# Allegro board meta_carrier_lay_rev1.brd (continued)
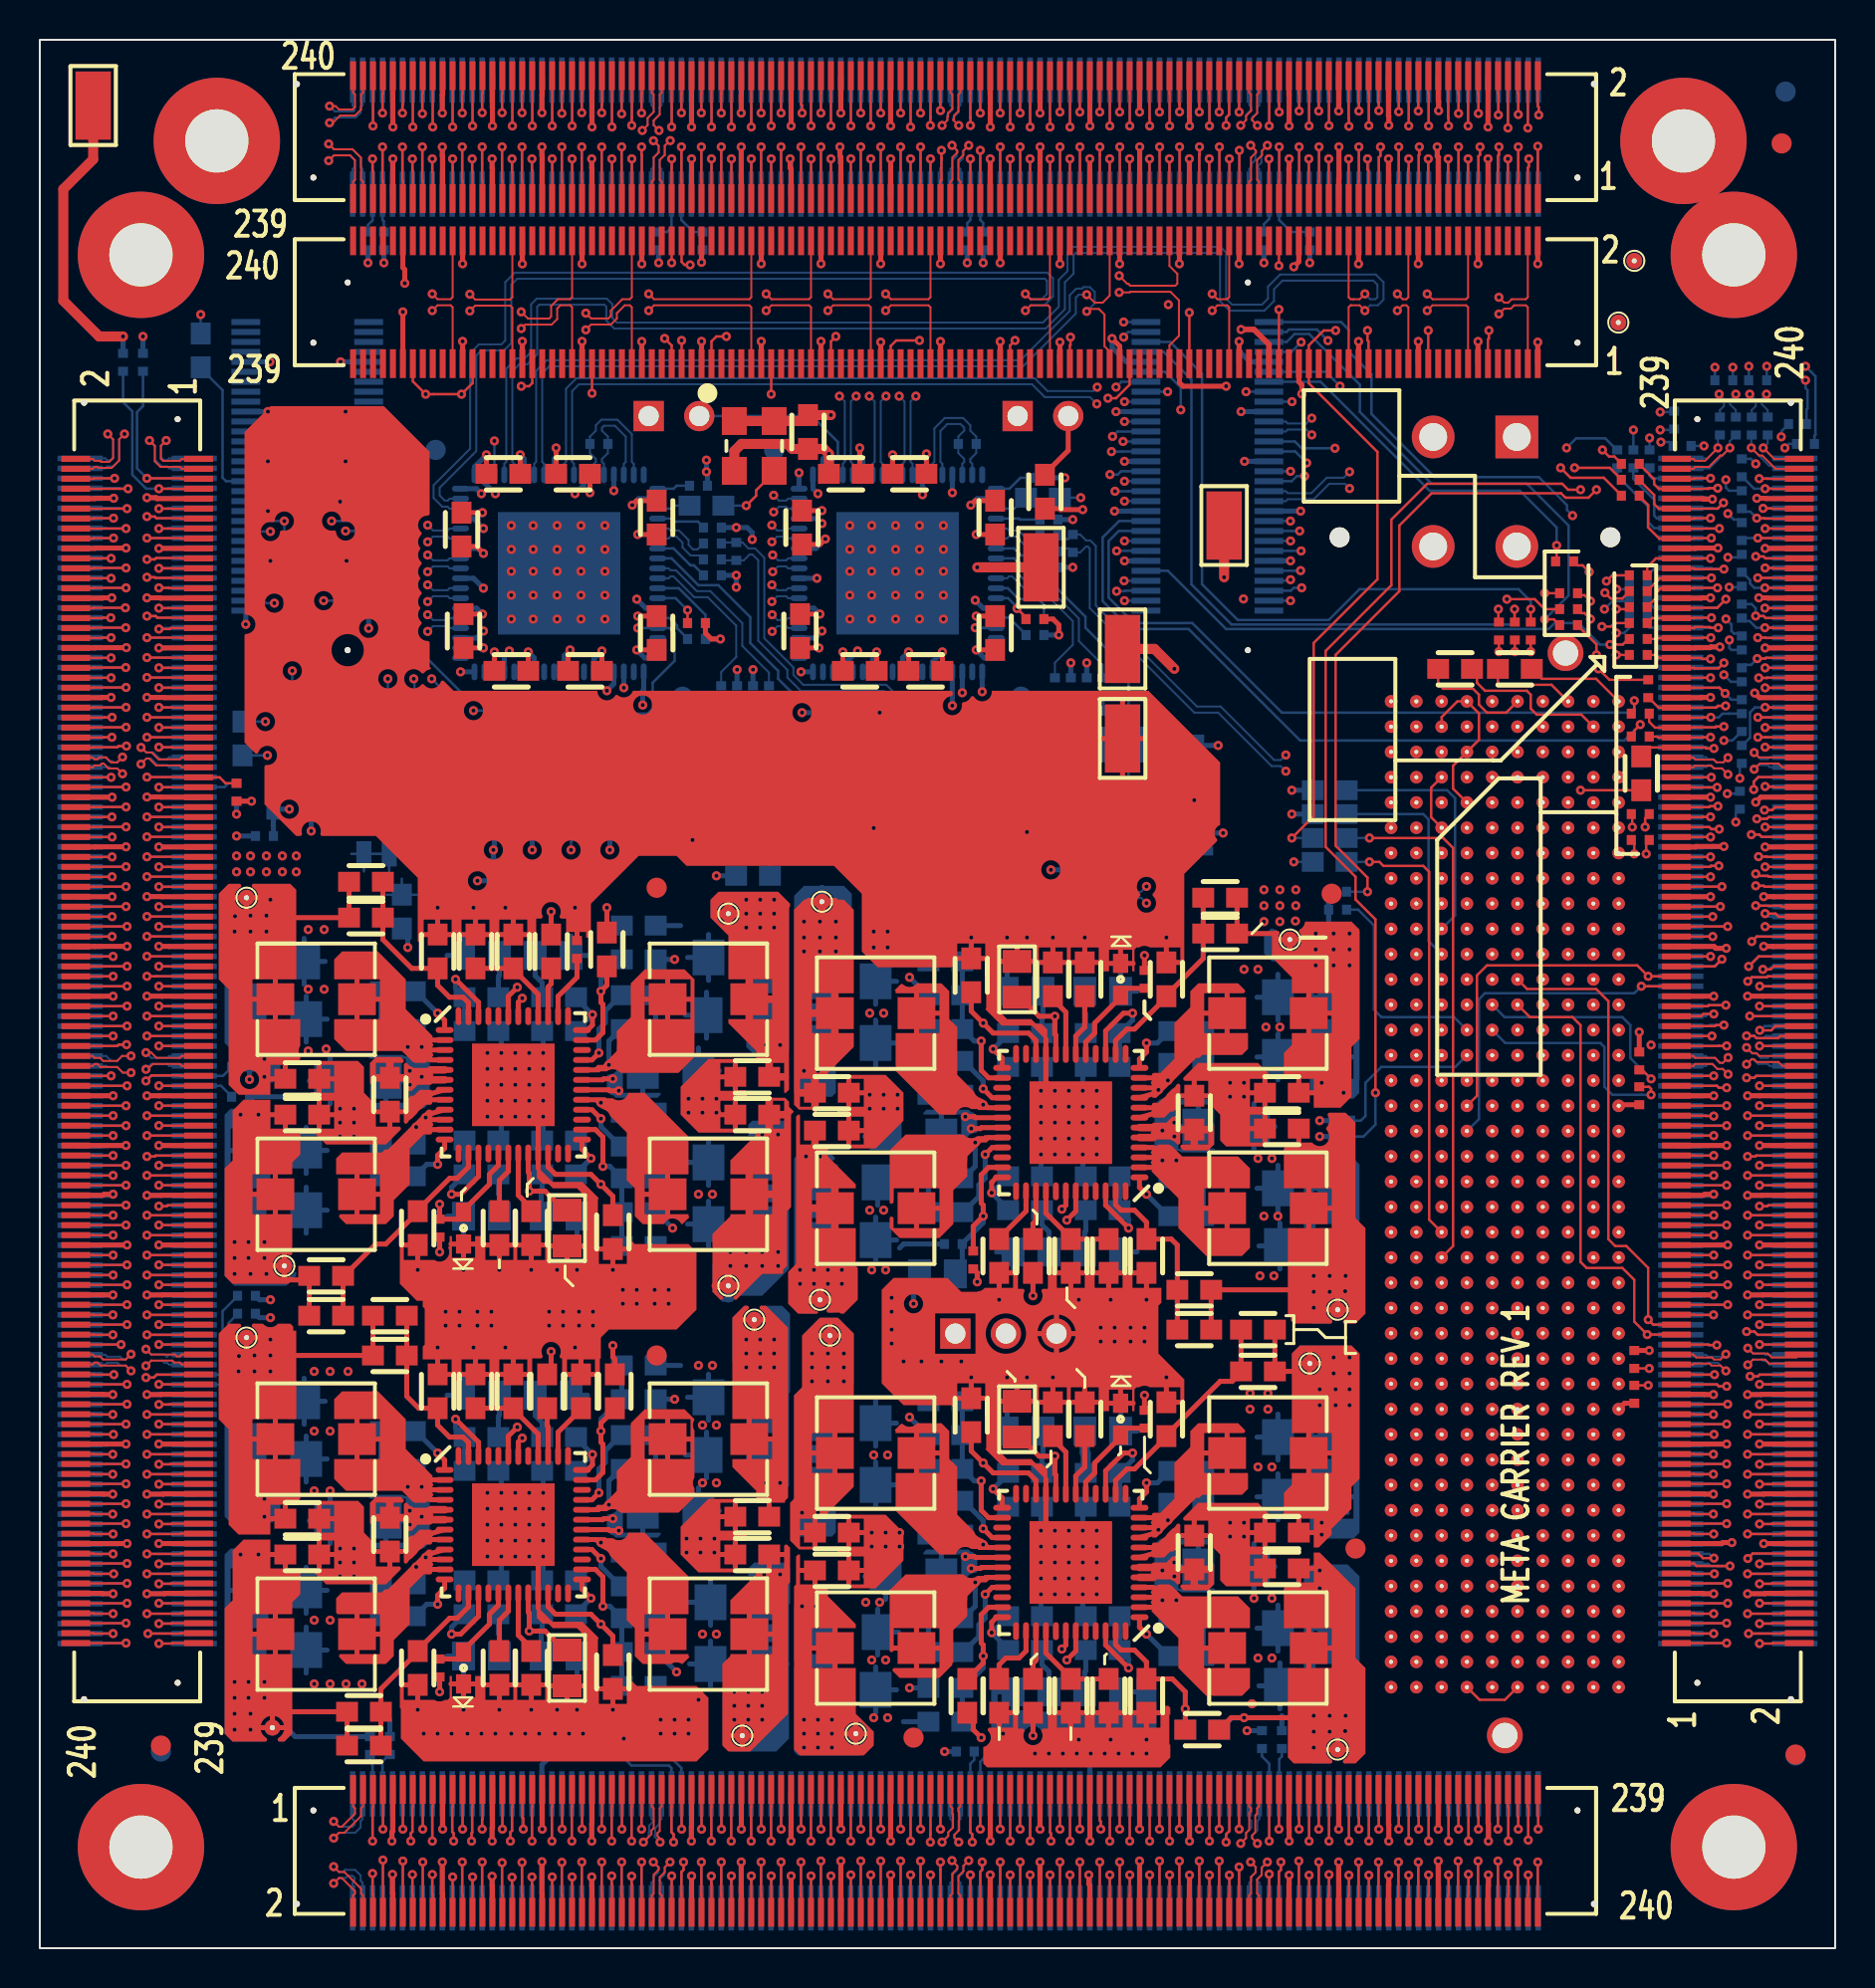
[diagram p0: board, top side]
## Routing (per net, layer and track width the routed paths; a pad name or vN(x,y) marks a point on that pad's centre or on a via; arc(x,y) is an arc through that point) (continued)
EA_DATA_OUT_N10: length 40.2
  TOP w0.127: v1(86.18,52.38) 87.43,52.38 87.48,52.33 J4.150
  SIGNAL_L10 w0.083: v1(86.18,52.38) 85.92,52.12 85.92,52.12 85.61,51.81 85.61,50.15 85.98,49.78 86.68,49.78 86.98,49.48 86.98,42.28 86.66,41.96 86.43,41.96 85.92,41.46 85.87,41.46 85.4,40.98 85.4,40.48 84.87,39.96 84.82,39.96 84.14,39.28 84,39.28 83.01,38.29 83.01,28.71 79.57,25.27 76.21,25.27 P1.G10
  BOTTOM w0.127: v1(86.18,52.38) 86.8,52.38 86.84,52.34 J6.150
EA_DATA_OUT_N11: length 35.7
  TOP w0.127: J4.146 v1(86.65,51.33)
  SIGNAL_L5 w0.083: v1(86.65,51.33) 87.08,51.33 87.55,50.86 87.55,45.04 85.87,43.36 85.56,43.36 84.9,42.7 84.57,42.7 84.07,42.2 83.9,42.2 82.96,41.26 82.96,35.06 79.48,31.58 78.06,31.58 77.21,30.73 77.21,30.7 76.95,30.44 76.92,30.44 76.1,29.62 76.1,26.47 P1.H11
  BOTTOM w0.127: J6.146 86.69,51.34 86.68,51.33 v1(86.65,51.33)
EA_DATA_OUT_N12: length 69
  TOP w0.127: J4.140 86.33,49.83 v1(85.83,49.33)
  SIGNAL_L3 w0.083: v1(85.83,49.33) 86.34,48.81 86.52,48.81 88.21,47.12 88.21,15.44 86.95,14.18 84.28,14.18 83.98,14.48 80.39,14.48 79.86,15.01 72.94,15.01 72.34,15.61 72.34,26.42 P1.D12
  BOTTOM w0.127: v1(85.83,49.33) 86.33,49.83 J6.140
EA_DATA_OUT_N13: length 41.2
  TOP w0.127: v1(85.78,48.58) 85.99,48.79 86.74,48.79 86.79,48.83 J4.136
  SIGNAL_L10 w0.083: v1(85.78,48.58) 82.28,48.58 79.96,46.26 79.96,45.88 80.26,45.58 80.26,37.38 79.46,36.58 71.63,36.58 70.99,35.94 70.99,26.4 P1.C11
  BOTTOM w0.127: v1(85.78,48.58) 85.99,48.79 86.74,48.79 86.79,48.83 J6.136
EA_DATA_OUT_N14: length 27.7
  TOP w0.127: J4.130 v1(86.37,47.33)
  SIGNAL_L10 w0.083: P1.H14 77.21,30.08 78.38,30.08 78.74,30.44 79.54,30.44 80.08,30.98 80.08,31.88 82.08,33.88 82.08,44.95 83.61,46.48 84.15,46.48 84.5,46.83 85.13,46.83 85.63,47.33 v1(86.37,47.33)
  BOTTOM w0.127: J6.130 86.84,47.33 86.84,47.33 v1(86.37,47.33)
EA_DATA_OUT_N15: length 30.6
  TOP w0.127: J4.126 87.17,46.33 86.96,46.12 v1(86.38,46.12)
  SIGNAL_L3 w0.083: v1(86.38,46.12) 86.12,46.38 85.18,46.38 84.18,45.38 v1(80.92,45.38)
  SIGNAL_L10 w0.083: v1(80.92,45.38) 81.36,44.95 81.36,36.02 79.52,34.18 79.18,34.18 78.68,33.68 78.68,33.28 78.16,32.76 76.7,32.76 76.18,32.24 76.18,29.05 P1.G13
  BOTTOM w0.127: v1(86.38,46.12) 86.38,46.08 86.63,46.33 86.84,46.33 86.84,46.33 J6.126
EA_DATA_OUT_N16: length 49.2
  TOP w0.127: J4.100 87.48,39.83 87.47,39.83 86.21,39.83 86.16,39.78 v1(85.77,39.78)
  SIGNAL_L5 w0.083: 72.94,15.65 72.36,15.07 72.36,14.15 72.63,13.88 82.1,13.88 82.63,14.4 86.7,14.4 88.68,16.38 88.68,37.58 86.48,39.78 v1(85.77,39.78)
  BOTTOM w0.127: v1(85.77,39.78) 86.16,39.78 86.21,39.83 J6.100
EA_DATA_OUT_N17: length 31
  TOP w0.127: v1(85.77,38.82) 87.47,38.82 87.48,38.83 J4.96
  SIGNAL_L10 w0.083: P1.K8 79.75,22.01 79.76,22 83.71,22 83.9,22.18 84.34,22.18 84.57,21.96 85.39,21.96 85.62,22.18 85.97,22.18 86.22,21.94 86.74,21.94 87.48,22.68 87.48,37.18 86.78,37.88 86.29,37.88 85.77,38.4 v1(85.77,38.82)
  BOTTOM w0.127: J6.96 v1(85.77,38.82)
EA_DATA_OUT_N18: length 29.3
  TOP w0.127: J4.90 86.81,37.33 86.76,37.28 v1(86.37,37.28)
  SIGNAL_L10 w0.083: 78.02,20.73 78.71,21.42 78.71,22.25 79.04,22.58 83.77,22.58 83.9,22.44 84.31,22.44 84.57,22.7 85.36,22.7 85.62,22.44 85.97,22.44 86.22,22.68 86.78,22.68 87.18,23.08 87.18,36.47 v1(86.37,37.28)
  BOTTOM w0.127: v1(86.37,37.28) 86.76,37.28 86.81,37.32 J6.90
EA_DATA_OUT_N19: length 30.7
  TOP w0.127: J4.86 v1(86.37,36.33)
  SIGNAL_L10 w0.083: v1(86.37,36.33) 86.88,35.82 86.88,23.3 86.52,22.94 86.22,22.94 85.97,23.18 85.28,23.18 84.98,22.88 84.51,22.88 84.21,23.18 79.98,23.18 79.56,22.76 79.47,22.76 79.47,22.76 74.97,22.76 P1.F8
  BOTTOM w0.127: J6.86 86.84,36.32 86.84,36.33 v1(86.37,36.33)
EA_DATA_OUT_N20: length 31.4
  TOP w0.127: v1(85.77,34.82) 87.47,34.82 87.48,34.83 J4.80
  SIGNAL_L5 w0.083: 72.94,20.73 73.67,21.46 78.26,21.46 78.5,21.7 78.5,22.16 79.12,22.78 79.98,22.78 80.58,23.38 84.24,23.38 84.82,23.96 85.06,23.96 85.28,24.18 85.28,24.88 85.59,25.19 85.67,25.19 86.26,25.78 86.38,25.78 87.47,26.87 87.47,32.79 86.3,33.96 86.22,33.96 85.77,34.4 v1(85.77,34.82)
  BOTTOM w0.127: J6.80 v1(85.77,34.82)
EA_DATA_OUT_N21: length 19.8
  TOP w0.127: J4.76 87.48,33.83 87.47,33.82 v1(85.77,33.82)
  SIGNAL_L5 w0.083: P1.K11 83.22,25.81 83.75,26.35 84.21,26.35 84.57,26.7 84.67,26.7 85.28,27.31 85.28,30.17 85.73,30.62 86.15,30.62 86.22,30.69 86.49,30.69 86.78,30.98 86.78,31.58 86.58,31.78 86.36,31.78 85.98,32.16 85.98,32.51 86.14,32.67 86.14,33.02 85.77,33.39 v1(85.77,33.82)
  BOTTOM w0.127: J6.76 v1(85.77,33.82)
EA_DATA_OUT_N22: length 19
  TOP w0.127: J4.70 v1(86.37,32.33)
  SIGNAL_L5 w0.083: v1(86.37,32.33) 87.11,31.59 87.11,28.41 86.38,27.68 86.22,27.68 85.99,27.45 85.87,27.45 85.18,26.75 85.18,26.26 84.8,25.88 84.68,25.88 83.99,25.19 79.19,25.19 78.55,24.55 P1.J10
  BOTTOM w0.127: J6.70 86.84,32.32 86.83,32.33 v1(86.37,32.33)
EA_DATA_OUT_N23: length 21.9
  TOP w0.127: J4.66 v1(86.37,31.33)
  SIGNAL_L10 w0.083: P1.F11 74.78,25.25 74.78,24.6 75.29,24.09 80.19,24.09 83.48,27.38 84.18,27.38 84.58,27.78 84.79,27.78 85.18,28.17 85.18,31.18 85.46,31.46 85.77,31.46 85.9,31.33 v1(86.37,31.33)
  BOTTOM w0.127: J6.66 86.84,31.32 86.83,31.33 v1(86.37,31.33)
EA_DATA_OUT_N24: length 5
  TOP w0.127: J4.40 87.48,24.83 87.46,24.82 v1(85.77,24.82)
  BOTTOM w0.127: J6.40 v1(85.77,24.82)
EA_DATA_OUT_N25: length 5
  TOP w0.127: J4.36 87.48,23.83 87.46,23.81 v1(85.77,23.81)
  BOTTOM w0.127: J6.36 v1(85.77,23.81)
EA_DATA_OUT_N26: length 3.8
  TOP w0.127: v1(86.37,22.31) 87.03,22.31 87.05,22.33 J4.30
  BOTTOM w0.127: v1(86.37,22.31) J6.30
EA_DATA_OUT_N27: length 3.8
  TOP w0.127: v1(86.37,21.31) 87,21.31 87.01,21.33 J4.26
  BOTTOM w0.127: v1(86.37,21.31) J6.26
EA_DATA_OUT_N28: length 5.1
  TOP w0.127: v1(85.78,19.58) 86.03,19.83 J4.20
  BOTTOM w0.127: v1(85.78,19.58) 86.01,19.81 J6.20
EA_DATA_OUT_N29: length 5
  TOP w0.127: J4.16 87.48,18.83 87.46,18.81 v1(85.77,18.81)
  BOTTOM w0.127: J6.16 v1(85.77,18.81)
EA_DATA_OUT_N30: length 3.8
  TOP w0.127: J4.10 v1(86.37,17.33)
  BOTTOM w0.127: J6.10 86.84,17.31 86.82,17.33 v1(86.37,17.33)
EA_DATA_OUT_N31: length 3.8
  TOP w0.127: v1(86.37,16.31) 86.99,16.31 87.01,16.33 J4.6
  BOTTOM w0.127: v1(86.37,16.31) J6.6
EA_DATA_OUT_P0: length 15.3
  TOP w0.127: J4.218 87.06,69.33 87.04,69.35 v1(86.65,69.35)
  SIGNAL_L5 w0.083: v1(86.73,79.48) 86.28,79.03 86.28,76.98 85.58,76.28 85.58,69.88 86.11,69.35 v1(86.65,69.35)
  BOTTOM w0.127: v1(86.73,79.48) 86.73,78.78 R180.1 ; J6.218 v1(86.65,69.35)
EA_DATA_OUT_P1: length 4.8
  TOP w0.127: v1(86.64,68.35) 87.46,68.35 87.48,68.33 J4.214
  BOTTOM w0.127: J6.214 v1(86.64,68.35) 86.11,68.35 85.89,68.57 85.89,68.74 85.5,69.13 R179.2
EA_DATA_OUT_P2: length 5.4
  TOP w0.127: J4.208 86.67,66.83 86.57,66.93 v1(86.18,66.93)
  BOTTOM w0.127: J6.208 86.66,66.85 86.57,66.93 v1(86.18,66.93) 86.18,67.33 85.97,67.53 R184.1
EA_DATA_OUT_P3: length 13.9
  TOP w0.127: v1(86.28,65.85) 86.67,65.85 86.69,65.83 J4.204 ; R183.2 77.33,67.98 77.58,67.98 v1(77.88,67.68)
  SIGNAL_L5 w0.083: v1(86.28,65.85) 84.85,67.28 83.28,67.28 82.88,67.68 v1(77.88,67.68)
  BOTTOM w0.127: J6.204 v1(86.28,65.85)
EA_DATA_OUT_P4: length 14.6
  TOP w0.127: v1(78.18,64.98) 78.18,65.51 77.23,66.46 R188.1 ; J4.198 v1(86.65,64.33)
  SIGNAL_L5 w0.083: v1(78.18,64.98) 78.58,64.58 81.18,64.58 82.3,63.46 84.76,63.46 85.63,64.33 v1(86.65,64.33)
  BOTTOM w0.127: J6.198 86.84,64.34 86.83,64.33 v1(86.65,64.33)
EA_DATA_OUT_P5: length 17.7
  TOP w0.127: J4.194 87.05,63.33 87.04,63.33 v1(86.65,63.33) ; v1(74.88,65.14) R187.2
  SIGNAL_L5 w0.083: v1(74.88,65.14) 76.14,63.88 79.68,63.88 81.2,62.36 84.2,62.36 84.53,62.03 85.8,62.03 86.49,62.71 86.49,62.71 86.65,62.88 v1(86.65,63.33)
  BOTTOM w0.127: v1(86.65,63.33) 86.65,63.33 86.83,63.33 86.84,63.34 J6.194
EA_DATA_OUT_P6: length 13.7
  TOP w0.127: v1(86.29,61.84) 87.47,61.84 87.48,61.83 J4.188 ; R192.1 80.63,56.78 v1(80.63,56.33)
  SIGNAL_L5 w0.083: v1(80.63,56.33) 80.63,58.23 83.78,61.38 83.98,61.38 84.44,61.84 v1(86.29,61.84)
  BOTTOM w0.127: J6.188 v1(86.29,61.84)
EA_DATA_OUT_P7: length 9.6
  TOP w0.127: J4.184 87.48,60.83 87.47,60.84 86.68,60.84 86.68,60.84 v1(86.29,60.84)
  SIGNAL_L10 w0.083: v1(84.75,58.01) 85.31,58.01 86.05,58.75 86.45,58.75 87.05,59.35 87.05,60.6 86.81,60.84 86.66,60.84 v1(86.29,60.84)
  BOTTOM w0.127: v1(84.75,58.01) 85.26,58.01 R191.2 ; J6.184 86.68,60.84 86.68,60.84 v1(86.29,60.84)
EA_DATA_OUT_P8: length 57.3
  TOP w0.127: v1(86.65,54.33) J4.158
  SIGNAL_L10 w0.083: P1.D8 72.26,21.42 72.26,19.15 72.69,18.72 82.42,18.72 83.66,19.96 83.93,19.96 83.93,19.96 84.23,19.96 84.23,19.96 86.76,19.96 88.38,21.58 88.38,52.6 v1(86.65,54.33)
  BOTTOM w0.127: v1(86.65,54.33) 86.68,54.33 86.69,54.34 J6.158
EA_DATA_OUT_P9: length 48.6
  TOP w0.127: J4.154 87.1,53.33 87.1,53.33 86.62,53.33 86.57,53.38 v1(86.18,53.38)
  SIGNAL_L10 w0.083: v1(86.18,53.38) 86.78,53.38 87.78,52.38 87.78,22.58 86.96,21.76 86.29,21.76 85.97,21.44 85.62,21.44 85.36,21.7 84.47,21.7 84.21,21.44 83.74,21.44 82.29,19.99 77.5,19.99 76.75,20.73
  BOTTOM w0.127: v1(86.18,53.38) 86.57,53.38 86.62,53.34 J6.154
EA_DATA_OUT_P10: length 42.2
  TOP w0.127: J4.148 87.33,51.83 87.18,51.98 v1(86.65,51.98)
  SIGNAL_L12 w0.083: 75.48,23.27 76.16,23.95 83.25,23.95 83.68,24.38 84.24,24.38 84.74,24.88 85.08,24.88 85.48,25.28 85.76,25.28 86.26,25.78 86.58,25.78 87.3,26.5 87.3,51.33 v1(86.65,51.98)
  BOTTOM w0.127: J6.148 86.83,51.83 86.68,51.98 86.68,51.98 v1(86.65,51.98)
EA_DATA_OUT_P11: length 38.3
  TOP w0.127: v1(85.98,50.58) 86.23,50.83 J4.144
  SIGNAL_L10 w0.083: v1(85.98,50.58) 86.24,50.84 86.72,50.84 87.28,50.28 87.28,41.58 86.4,40.7 86.22,40.7 85.69,40.18 85.58,40.18 85.09,39.69 85.09,39.18 84.87,38.96 84.82,38.96 84.12,38.25 83.92,38.25 83.48,37.82 83.48,28.68 79.8,25 77.21,25 P1.H10
  BOTTOM w0.127: J6.144 86.23,50.83 v1(85.98,50.58)
EA_DATA_OUT_P12: length 68.4
  TOP w0.127: v1(86.54,49.18) 86.93,49.18 87.08,49.33 J4.138
  SIGNAL_L3 w0.083: P1.D11 71.15,25.29 71.15,14.27 71.57,13.84 80.41,13.84 80.76,14.19 83.87,14.19 84.18,13.88 87.13,13.88 88.44,15.19 88.44,47.27 v1(86.54,49.18)
  BOTTOM w0.127: J6.138 88.09,49.28 86.95,49.28 86.85,49.18 v1(86.54,49.18)
EA_DATA_OUT_P13: length 40.1
  TOP w0.127: J4.134 v1(86.38,48.33)
  SIGNAL_L10 w0.083: v1(86.38,48.33) 86.06,48.33 85.93,48.21 83.18,48.21 80.48,45.5 80.48,36.28 79.48,35.28 73.98,35.28 73.58,34.88 73.58,34.38 73.28,34.08 72.58,34.08 72.28,33.78 72.28,25.48 71.98,25.18 71.04,25.18 P1.C10
  BOTTOM w0.127: v1(86.38,48.33) 86.84,48.33 86.84,48.33 J6.134
EA_DATA_OUT_P14: length 28.6
  TOP w0.127: J4.128 87.48,46.83 87.48,46.83 v1(85.88,46.83)
  SIGNAL_L10 w0.083: v1(85.88,46.83) 84.95,45.9 84.7,45.9 82.38,43.58 82.38,31.88 80.9,30.4 80.68,30.4 80.08,29.81 80.08,29.48 79.58,28.98 77.38,28.98 P1.H13
  BOTTOM w0.127: J6.128 v1(85.88,46.83)
EA_DATA_OUT_P15: length 32.8
  TOP w0.127: J4.124 87.41,45.83 87.3,45.72 86.22,45.72 86.1,45.84 v1(85.72,45.84)
  SIGNAL_L10 w0.083: P1.G12 76.08,27.68 80.71,27.68 82.83,29.8 82.83,40.23 83.93,41.33 84.18,41.33 84.63,41.78 84.88,41.78 85.38,42.28 85.75,42.28 86.25,42.78 86.38,42.78 86.74,43.14 86.74,45.48 86.52,45.7 86.23,45.7 86.09,45.84 v1(85.72,45.84)
  BOTTOM w0.127: J6.124 86.69,45.83 86.58,45.72 86.22,45.72 86.1,45.84 v1(85.72,45.84)
EA_DATA_OUT_P16: length 43.9
  TOP w0.127: J4.98 v1(86.37,39.33)
  SIGNAL_L5 w0.083: v1(86.37,39.33) 88.48,37.22 88.48,16.68 86.58,14.78 81.88,14.78 81.68,14.98 73.54,14.98 P1.E2
  BOTTOM w0.127: J6.98 86.84,39.33 86.84,39.33 v1(86.37,39.33)
EA_DATA_OUT_P17: length 29.8
  TOP w0.127: J4.94 v1(86.37,38.33)
  SIGNAL_L5 w0.083: 79.3,20.73 79.65,20.38 84.29,20.38 84.67,20.75 85.05,20.75 85.58,21.28 85.76,21.28 86.16,21.68 86.21,21.68 86.22,21.68 86.48,21.68 88.28,23.48 88.28,36.42 v1(86.37,38.33)
  BOTTOM w0.127: v1(86.37,38.33) 86.84,38.33 86.84,38.33 J6.94
EA_DATA_OUT_P18: length 31.9
  TOP w0.127: v1(85.77,36.82) 87.47,36.82 87.48,36.83 J4.88
  SIGNAL_L5 w0.083: v1(85.77,36.82) 86.74,36.82 88.02,35.54 88.02,24.22 86.68,22.88 86.41,22.88 85.91,22.38 85.78,22.38 85.4,22 85.4,21.48 84.87,20.96 84.5,20.96 84.27,21.19 79.09,21.19 78.69,20.79 78.69,20.13 P1.J6
  BOTTOM w0.127: J6.88 v1(85.77,36.82)
EA_DATA_OUT_P19: length 33.3
  TOP w0.127: v1(85.77,35.82) 87.47,35.82 87.48,35.83 J4.84
  SIGNAL_L5 w0.083: 74.22,20.73 74.77,20.18 78.12,20.18 78.48,20.54 78.48,20.84 79.08,21.44 84.31,21.44 84.74,21.88 84.88,21.88 85.18,22.18 85.18,22.78 85.58,23.18 85.72,23.18 86.31,23.78 86.48,23.78 87.84,25.14 87.84,34.37 86.74,35.46 86.74,35.48 86.4,35.82 v1(85.77,35.82)
  BOTTOM w0.127: J6.84 v1(85.77,35.82)
EA_DATA_OUT_P20: length 31.3
  TOP w0.127: J4.78 v1(86.37,34.33)
  SIGNAL_L5 w0.083: P1.E6 73.58,20.1 73.58,20.78 73.98,21.18 74.01,21.18 74.02,21.19 78.39,21.19 78.68,21.48 78.68,22.08 79.18,22.58 83.76,22.58 83.9,22.44 84.31,22.44 84.57,22.7 84.73,22.7 85.4,23.37 85.4,23.97 85.62,24.19 85.72,24.19 86.31,24.78 86.53,24.78 87.65,25.91 87.65,33.05 87.56,33.14 v1(86.37,34.33)
  BOTTOM w0.127: v1(86.37,34.33) 86.84,34.33 86.84,34.32 J6.78
EA_DATA_OUT_P21: length 19.5
  TOP w0.127: J4.74 v1(86.37,33.33)
  SIGNAL_L5 w0.083: v1(86.37,33.33) 87.29,32.41 87.29,27.69 86.3,26.7 86.22,26.7 85.7,26.19 85.62,26.19 85.38,25.95 85.38,25.38 84.88,24.88 84.65,24.88 84.21,24.44 83.52,24.44 83.41,24.55 P1.K10
  BOTTOM w0.127: v1(86.37,33.33) 86.83,33.33 86.84,33.32 J6.74
EA_DATA_OUT_P22: length 19.9
  TOP w0.127: v1(85.77,31.82) 87.47,31.82 87.48,31.83 J4.68
  SIGNAL_L5 w0.083: 78.02,23.27 77.57,23.73 77.57,24.84 77.88,25.15 78.16,25.15 78.68,25.67 78.68,25.92 79.24,26.48 82.59,26.48 83.49,27.38 84.28,27.38 84.58,27.68 84.59,27.68 84.62,27.7 84.9,27.7 85.1,27.9 85.1,31.15 v1(85.77,31.82)
  BOTTOM w0.127: J6.68 v1(85.77,31.82)
EA_DATA_OUT_P23: length 22
  TOP w0.127: v1(85.72,30.98) 86.11,30.98 86.28,30.82 87.47,30.82 87.48,30.83 J4.64
  SIGNAL_L10 w0.083: P1.F10 74.88,23.88 81.38,23.88 83.68,26.18 83.94,26.18 84.55,26.78 84.98,26.78 85.39,27.19 85.39,30.66 v1(85.72,30.98)
  BOTTOM w0.127: J6.64 86.28,30.82 86.11,30.98 v1(85.72,30.98)
EA_DATA_OUT_P24: length 3.8
  TOP w0.127: J4.38 86.95,24.33 86.93,24.31 v1(86.37,24.31)
  BOTTOM w0.127: v1(86.37,24.31) J6.38
EA_DATA_OUT_P25: length 3.8
  TOP w0.127: J4.34 87.05,23.33 87.03,23.31 v1(86.37,23.31)
  BOTTOM w0.127: v1(86.37,23.31) J6.34
EA_DATA_OUT_P26: length 5
  TOP w0.127: J4.28 87.48,21.83 87.46,21.81 v1(85.77,21.81)
  BOTTOM w0.127: J6.28 v1(85.77,21.81)
EA_DATA_OUT_P27: length 5
  TOP w0.127: v1(85.77,20.81) 87.46,20.81 87.48,20.83 J4.24
  BOTTOM w0.127: J6.24 v1(85.77,20.81)
EA_DATA_OUT_P28: length 3.8
  TOP w0.127: v1(86.37,19.31) 87.03,19.31 87.05,19.33 J4.18
  BOTTOM w0.127: v1(86.37,19.31) J6.18
EA_DATA_OUT_P29: length 3.8
  TOP w0.127: J4.14 86.98,18.33 86.96,18.31 v1(86.37,18.31)
  BOTTOM w0.127: v1(86.37,18.31) J6.14
EA_DATA_OUT_P30: length 5
  TOP w0.127: v1(85.77,16.81) 87.46,16.81 87.48,16.83 J4.8
  BOTTOM w0.127: J6.8 v1(85.77,16.81)
EA_DATA_OUT_P31: length 4.9
  TOP w0.127: v1(85.82,15.81) 87.46,15.81 87.48,15.83 J4.4
  BOTTOM w0.127: J6.4 v1(85.82,15.81)
EA_FRAME_IN_N0: length 43.5
  TOP w0.127: v1(78.18,73.28) 77.78,72.88 76.62,72.88 76.4,73.1 69.9,73.1 68.28,71.48 68.28,68.18 65.08,64.98 65.08,55.39 66.68,53.79 v1(66.68,53.08) ; J4.235 83.08,73.83 83.1,73.85 v1(83.91,73.85)
  SIGNAL_L3 w0.083: v1(83.91,73.85) 78.75,73.85 v1(78.18,73.28)
  BOTTOM w0.127: v1(83.91,73.85) J6.235 80.98,73.85 80.85,73.98 R161.2 ; v1(66.68,53.08) R44.1
EA_FRAME_IN_N1: length 36.5
  TOP w0.127: J4.175 v1(83.95,58.83)
  SIGNAL_L10 w0.083: P1.D27 72.38,46.84 72.38,52.68 72.88,53.18 80.41,53.18 81.45,54.22 81.45,56.33 v1(83.95,58.83)
  BOTTOM w0.127: P1.D27 71.03,46.78 67.38,46.78 67.01,47.15 67.01,51.38 66.21,52.18 R45.1 ; J6.175 83.72,58.84 83.73,58.83 v1(83.95,58.83)
EA_FRAME_IN_N2: length 18
  TOP w0.127: v1(80.92,43.68) 80.47,44.13 R14.1 ; J4.115 v1(84.07,43.83)
  SIGNAL_L12 w0.083: v1(84.07,43.83) 81.53,43.83 81.38,43.68 v1(80.92,43.68)
  BOTTOM w0.127: J6.115 83.72,43.83 83.72,43.83 v1(84.07,43.83) ; v1(80.92,43.68) 79.88,44.72 79.88,46.38 79.48,46.78 73.57,46.78 P1.E28
EA_FRAME_IN_N3: length 7.8
  TOP w0.127: v1(84.11,28.82) 83.09,28.82 83.08,28.83 J4.55 ; R27.1 v1(80.83,29.13)
  SIGNAL_L5 w0.083: v1(84.11,28.82) 81.14,28.82 v1(80.83,29.13)
  BOTTOM w0.127: J6.55 v1(84.11,28.82)
EA_FRAME_IN_P0: length 58.4
  TOP w0.127: v1(67.08,42.98) 67.08,51.69 66.08,52.69 66.08,53.83 64.58,55.33 64.58,65.18 67.88,68.48 67.88,71.78 69.68,73.58 76.46,73.58 76.76,73.28 v1(77.38,73.28) ; R163.2 80.33,74.56 81.08,73.81 81.08,73.56 81.31,73.33 J4.233 83.82,73.33 83.84,73.36 v1(84.27,73.36)
  SIGNAL_L3 w0.083: v1(84.27,73.36) 83.9,73.36 83.89,73.37 82.87,73.37 82.38,72.88 77.78,72.88 v1(77.38,73.28)
  BOTTOM w0.127: v1(84.27,73.36) 83.77,73.36 83.76,73.35 J6.233 ; R43.2 66.48,40.78 67.08,41.38 v1(67.08,42.98)
EA_FRAME_IN_P1: length 34.1
  TOP w0.127: J4.173 83.08,58.33 83.09,58.32 v1(84.24,58.32)
  SIGNAL_L5 w0.083: P1.D26 72.39,45.58 73.28,45.58 73.58,45.88 73.58,47.58 73.98,47.98 75.58,47.98 76.08,48.48 76.08,48.88 76.58,49.38 78.28,49.38 78.68,49.78 78.68,50.2 79.06,50.58 79.58,50.58 79.98,50.98 79.98,51.66 83.52,55.2 83.9,55.2 84.72,56.02 84.72,57.52 84.28,57.95 84.28,57.98 84.24,58.02 v1(84.24,58.32)
  BOTTOM w0.127: R42.2 66.35,41.58 66.58,41.81 66.58,43.48 67.38,44.28 71.09,44.28 P1.D26 ; J6.173 83.83,58.34 83.85,58.32 v1(84.24,58.32)
EA_FRAME_IN_P2: length 20.3
  TOP w0.127: v1(84.72,43.23) 84.33,43.23 84.23,43.33 J4.113 ; R15.2 80.82,43.28 80.92,43.18 v1(80.92,42.88)
  SIGNAL_L12 w0.083: v1(84.72,43.23) 81.28,43.23 v1(80.92,42.88)
  BOTTOM w0.127: P1.E27 73.6,45.48 78.38,45.48 78.58,45.28 78.58,43.28 78.98,42.88 80.44,42.88 80.44,42.88 v1(80.92,42.88) ; J6.113 84.23,43.33 84.33,43.23 v1(84.72,43.23)
EA_FRAME_IN_P3: length 9.6
  TOP w0.127: v1(84.72,28.23) 84.33,28.23 84.23,28.33 J4.53 ; R32.2 v1(80.78,28.28)
  SIGNAL_L5 w0.083: v1(84.72,28.23) 84.35,28.23 84.3,28.28 v1(80.78,28.28)
  BOTTOM w0.127: J6.53 84.24,28.32 84.33,28.23 v1(84.72,28.23)
EA_FRAME_OUT_N0: length 12.4
  TOP w0.127: v1(86.35,73.84) 86.75,73.84 86.75,73.83 J4.236
  SIGNAL_L3 w0.083: v1(85.03,79.43) 85.48,79.88 85.98,79.88 86.28,79.58 86.28,79.38 87.09,78.57 87.09,74.57 v1(86.35,73.84)
  BOTTOM w0.127: v1(85.03,79.43) R170.1 ; v1(86.35,73.84) 86.36,73.84 86.36,73.83 86.44,73.83 86.46,73.85 J6.236
EA_FRAME_OUT_N1: length 46
  TOP w0.127: J4.176 87.48,58.83 87.47,58.84 86.31,58.84 86.08,58.61 v1(86.08,58.22)
  SIGNAL_L5 w0.083: 71.67,30.9 72.13,31.35 73.05,31.35 73.68,31.98 73.68,33.78 74.08,34.18 79.58,34.18 82.25,36.85 82.25,44.96 83.67,46.38 84.06,46.38 84.55,46.88 85.34,46.88 85.92,47.46 85.92,47.46 86.14,47.68 86.14,47.69 86.31,47.85 86.54,47.85 86.91,48.23 86.91,49.33 86.56,49.68 86.18,49.68 85.58,50.28 85.58,51.68 85.38,51.88 85.38,54.84 85.96,55.43 86.07,55.53 86.42,55.88 86.8,55.88 87.14,56.23 87.14,57.52 86.71,57.95 86.34,57.95 v1(86.08,58.22)
  BOTTOM w0.127: v1(86.08,58.22) 86.08,58.61 86.31,58.84 J6.176
EA_FRAME_OUT_N2: length 32.6
  TOP w0.127: v1(85.72,43.73) 86.11,43.73 86.21,43.83 J4.116
  SIGNAL_L10 w0.083: v1(85.72,43.73) 85.28,43.29 85.28,43.06 85,42.78 84.65,42.78 84.07,42.2 83.92,42.2 82.58,40.87 82.58,31.08 81.16,29.66 80.66,29.66 80.08,29.08 80.08,28.48 79.48,27.88 75.63,27.88 74.88,27.13 74.88,26.98 74.28,26.38 74.08,26.38 73.53,25.83 73.53,25.13 P1.E10
  BOTTOM w0.127: J6.116 86.21,43.83 86.11,43.73 v1(85.72,43.73)
EA_FRAME_OUT_N3: length 4.8
  TOP w0.127: v1(85.9,28.73) 86.29,28.73 86.38,28.82 87.47,28.82 87.48,28.83 J4.56
  BOTTOM w0.127: v1(85.9,28.73) 86.29,28.73 86.38,28.82 J6.56
EA_FRAME_OUT_P0: length 4.6
  TOP w0.127: J4.234 v1(86.65,73.33)
  BOTTOM w0.127: J6.234 86.84,73.35 86.82,73.33 v1(86.65,73.33) 86.1,73.33 85.5,73.93 R172.1
EA_FRAME_OUT_P1: length 44.1
  TOP w0.127: J4.174 87.08,58.33 87.04,58.37 v1(86.65,58.37)
  SIGNAL_L5 w0.083: P1.D14 72.33,30.28 73.18,30.28 73.58,30.68 73.58,30.98 73.95,31.35 74.15,31.35 74.98,32.18 74.98,33.58 75.29,33.89 79.69,33.89 82.58,36.78 82.58,43.72 85.32,46.46 86.2,46.46 87.09,47.35 87.09,50.35 86.73,50.71 86.45,50.71 85.98,51.18 85.98,51.54 85.58,51.94 85.58,54.78 85.81,55.01 85.81,55.01 86.5,55.7 86.92,55.7 87.33,56.11 87.33,57.69 v1(86.65,58.37)
  BOTTOM w0.127: v1(86.65,58.37) 86.79,58.37 86.82,58.34 J6.174
EA_FRAME_OUT_P2: length 32
  TOP w0.127: J4.114 v1(86.37,43.33)
  SIGNAL_L5 w0.083: v1(86.37,43.33) 86.37,42.9 85.92,42.46 85.5,42.46 84.87,41.83 84.71,41.83 84.57,41.7 84.57,41.7 84.35,41.48 84.35,41.47 84.18,41.3 83.9,41.3 83.18,40.58 83.18,34.74 79.98,31.54 79.98,30.93 79.49,30.44 79.46,30.44 78.84,29.82 78.84,29.64 78.18,28.98 77.95,28.98 77.38,28.41 77.38,24.38 76.98,23.98 73.65,23.98 72.94,23.27
  BOTTOM w0.127: J6.114 86.84,43.33 86.84,43.33 v1(86.37,43.33)
EA_FRAME_OUT_P3: length 3.8
  TOP w0.127: J4.54 v1(86.37,28.33)
  BOTTOM w0.127: v1(86.37,28.33) 86.83,28.33 86.84,28.32 J6.54
EA_LCLK_IN_N0: length 5.2
  TOP w0.102: J4.239 83.04,74.83 83.14,74.73 83.63,74.73 v1(84.28,75.38)
  BOTTOM w0.102: R162.1 84.28,75.93 v1(84.28,75.38) 83.75,74.85 J6.239
EA_LCLK_IN_N1: length 41.7
  TOP w0.102: J4.179 83.04,59.83 83.16,59.72 84.08,59.72 84.21,59.58 84.55,59.58 v1(84.78,59.81)
  SIGNAL_L3 w0.081: 71.67,38.52 72.14,38.05 74.39,38.05 74.68,38.34 74.68,60.42 75.17,60.91 82.38,60.91 83.67,59.62 84.59,59.62 v1(84.78,59.81)
  BOTTOM w0.102: v1(84.78,59.81) 84.55,59.58 84.21,59.58 84.05,59.74 83.78,59.74 83.68,59.84 J6.179
EA_LCLK_IN_N2: length 11.4
  TOP w0.102: J4.119 83.04,44.83 83.14,44.73 84.13,44.73 84.38,44.48 84.52,44.48 v1(84.79,44.75)
  SIGNAL_L12 w0.081: v1(84.79,44.75) 84.54,44.5 84.4,44.5 84.31,44.58 80.38,44.58 80.2,44.4 79.76,44.4 P1.K26
  BOTTOM w0.102: J6.119 83.68,44.83 83.78,44.73 84.13,44.73 84.38,44.48 84.52,44.48 v1(84.79,44.75)
EA_LCLK_IN_N3: length 5.1
  TOP w0.102: v1(84.68,29.85) 84.41,29.58 84.08,29.58 83.98,29.68 83.19,29.68 83.04,29.83 J4.59
  BOTTOM w0.102: J6.59 83.68,29.82 83.78,29.72 84.55,29.72 v1(84.68,29.85)
EA_LCLK_IN_P0: length 6.8
  TOP w0.102: v1(84.88,75.38) 84.5,75 84.4,75 83.83,74.43 83.14,74.43 83.04,74.33 J4.237
  BOTTOM w0.102: R164.1 84.88,75.73 v1(84.88,75.38) 83.85,74.35 J6.237
EA_LCLK_IN_P1: length 41.8
  TOP w0.102: v1(84.78,58.98) 84.48,59.28 84.08,59.28 83.95,59.41 83.12,59.41 83.04,59.33 J4.177
  SIGNAL_L3 w0.081: P1.D20 72.14,37.71 74.53,37.71 75.01,38.2 75.01,60.28 75.31,60.58 82.25,60.58 83.53,59.29 84.47,59.29 v1(84.78,58.98)
  BOTTOM w0.102: v1(84.78,58.98) 84.48,59.28 84.08,59.28 83.92,59.44 83.78,59.44 83.68,59.34 J6.177
EA_LCLK_IN_P2: length 11.4
  TOP w0.102: J4.117 83.04,44.33 83.14,44.43 84.01,44.43 84.25,44.18 84.52,44.18 v1(84.79,43.91)
  SIGNAL_L12 w0.081: P1.K25 79.76,44.06 80.33,44.06 80.52,44.25 84.17,44.25 84.26,44.17 84.54,44.17 v1(84.79,43.91)
  BOTTOM w0.102: v1(84.79,43.91) 84.52,44.18 84.25,44.18 84.01,44.43 83.78,44.43 83.68,44.33 J6.117
EA_LCLK_IN_P3: length 5.1
  TOP w0.102: v1(84.68,29.01) 84.41,29.28 83.95,29.28 83.85,29.38 83.09,29.38 83.04,29.33 J4.57
  BOTTOM w0.102: v1(84.68,29.01) 84.27,29.42 83.78,29.42 83.68,29.32 J6.57
EA_LCLK_OUT_N0: length 4.6
  TOP w0.102: J4.240 87.11,74.83 v1(86.56,75.38)
  BOTTOM w0.102: J6.240 87.11,74.85 86.98,74.98 86.96,74.98 v1(86.56,75.38) 86.78,75.6 R173.1
EA_LCLK_OUT_N1: length 60.8
  TOP w0.102: J4.180 86.34,59.83 v1(86.1,60.07)
  SIGNAL_L3 w0.081: v1(86.1,60.07) 85.73,59.7 85.73,59.08 85.95,58.86 86.63,58.86 86.9,59.13 87.5,59.13 88.29,58.34 88.29,51.26 87,49.97 86.43,49.97 86.32,50.08 85.43,50.08 84.65,49.3 83.66,49.3 83.35,49.61 80.14,49.61 80,49.46 77.7,49.46 77.24,49 77.24,34.38 77.7,33.92 78.19,33.92 78.48,33.62 78.48,20.55 78.21,20.27 76.07,20.27 76.07,20.27 75.95,20.27 75.48,20.73
  BOTTOM w0.102: v1(86.1,60.07) 86.43,59.74 86.78,59.74 86.88,59.84 J6.180
EA_LCLK_OUT_N2: length 54.1
  TOP w0.102: J4.120 86.36,44.83 86.23,44.96 86.01,44.96 v1(85.72,45.25)
  SIGNAL_L3 w0.081: 74.22,18.2 74.68,17.73 81.4,17.73 81.81,17.32 81.81,15.29 81.89,15.21 84.12,15.21 84.52,14.81 86.61,14.81 86.95,15.15 86.95,20.18 86.95,20.75 86.95,20.75 86.95,43.91 86.54,44.32 86.32,44.32 86.09,44.09 86.09,43.58 85.87,43.36 85.57,43.36 85.35,43.58 85.35,44.88 v1(85.72,45.25)
  BOTTOM w0.102: v1(85.72,45.25) 85.99,44.98 86.18,44.98 86.43,44.73 86.78,44.73 86.88,44.83 J6.120
EA_LCLK_OUT_N3: length 5.3
  TOP w0.102: J4.60 88.22,29.68 86.98,29.68 86.78,29.88 86.05,29.88 v1(85.78,30.15)
  BOTTOM w0.102: J6.60 86.67,29.82 86.61,29.88 86.05,29.88 v1(85.78,30.15)
EA_LCLK_OUT_P0: length 6.1
  TOP w0.102: v1(85.96,75.38) 86.34,75 86.51,75 87.17,74.33 J4.238
  BOTTOM w0.102: R176.1 85.96,76.01 v1(85.96,75.38) 86.86,74.48 86.98,74.48 87.11,74.35 J6.238
EA_LCLK_OUT_P1: length 60.4
  TOP w0.102: J4.178 87.52,59.33 87.32,59.53 86.39,59.53 v1(86.1,59.23)
  SIGNAL_L3 w0.081: v1(86.1,59.23) 86.16,59.23 86.2,59.19 86.49,59.19 86.76,59.46 87.64,59.46 88.62,58.48 88.62,51.12 87.14,49.64 86.29,49.64 86.19,49.75 85.56,49.75 84.79,48.97 83.52,48.97 83.21,49.28 80.28,49.28 80.13,49.13 77.84,49.13 77.57,48.86 77.57,34.52 77.84,34.25 78.33,34.25 78.81,33.76 78.81,20.41 78.34,19.94 76.21,19.94 76.21,19.93 75.95,19.93 P1.G6